# Altium PCB SAMR21_Xplained_Pro.PcbDoc (part 1 of 3) (continued)
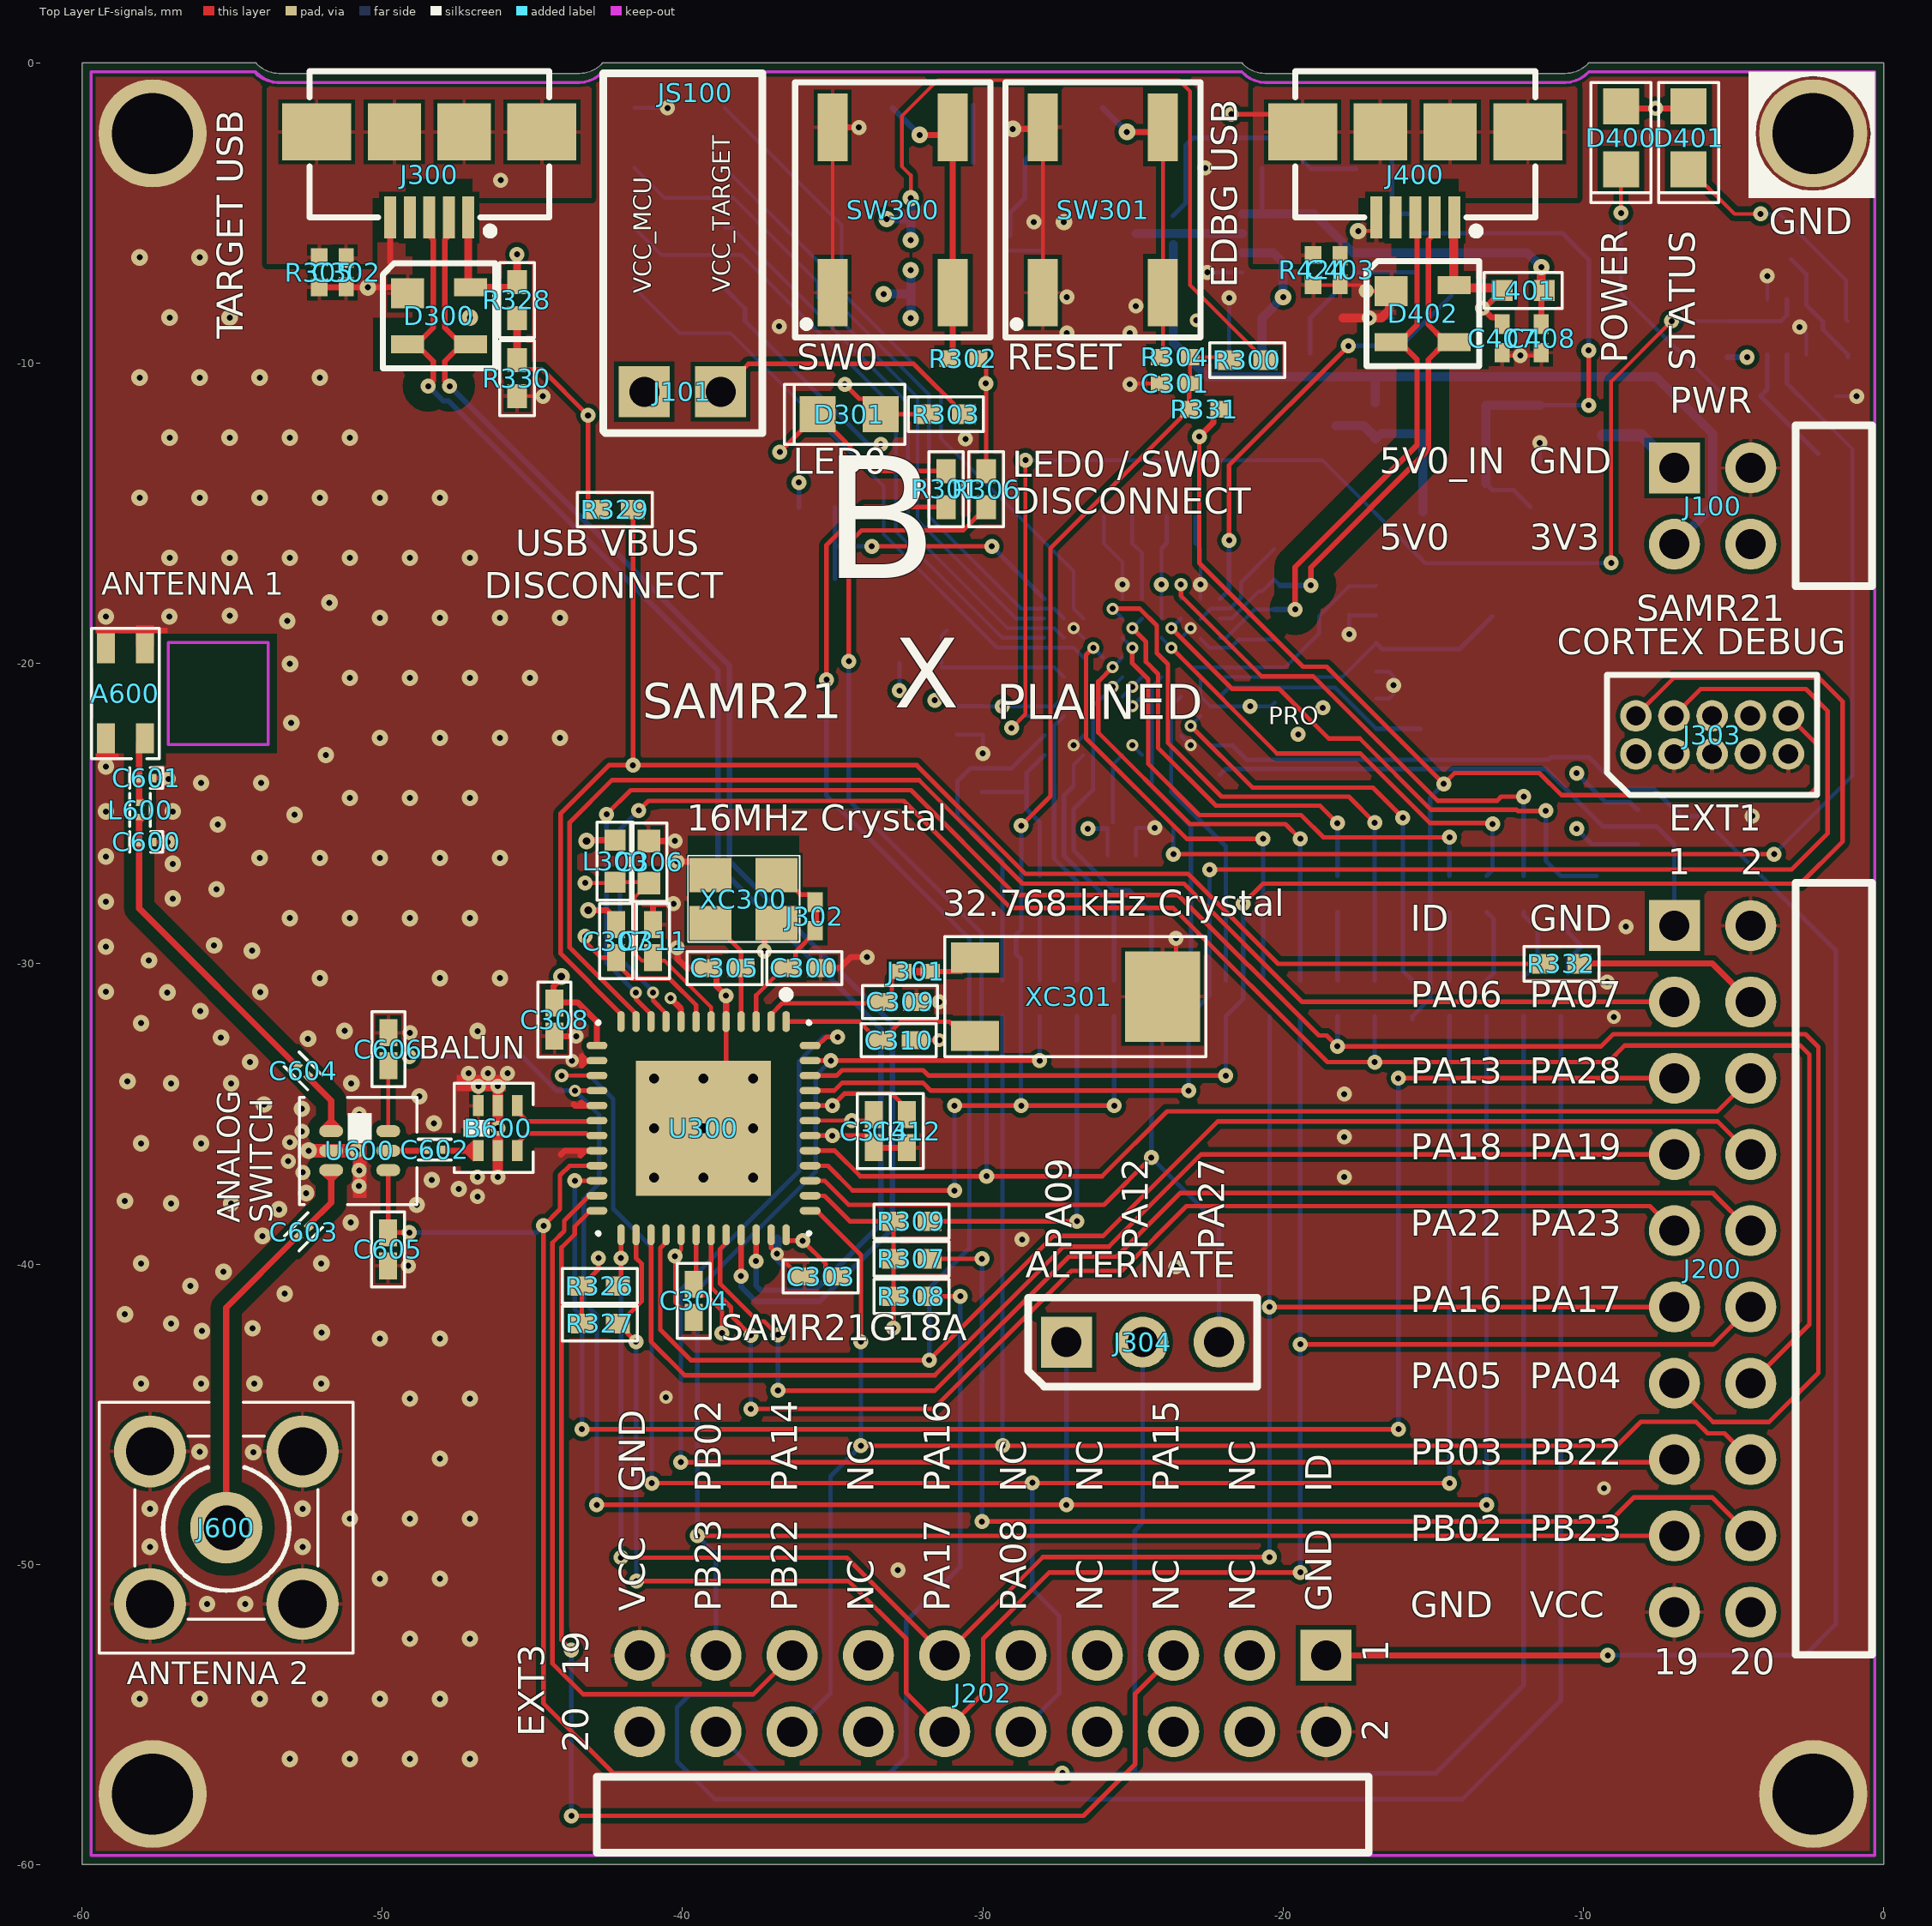
[diagram p0: Top Layer LF-signals view]
## Footprints (in the part's own frame and the unit in brackets; to place one, negate y for a bottom-side part, rotate by r counter-clockwise, add the part's x,y. Pads: shape width x height; smd on the part's side, far side on the other; paste and mask are expansions set on the pad) (continued)
AP4-00001 [mm]
  rect 1.1x1 smd: 1(0,0)
  rect 1.1x0.6 smd: 2(0,-1.7) 3(2.1,-1.7) 4(2.1,0.2)
  silkscreen extent -0.82,-2.5 2.93,1, body extent -0.13,-2.2 2.23,0.7, height 1.21
AP4-00013 [mm] "0805 diode footprint"
  rect 1.2x1.2 smd: 1(-1.05,0) 2(1.05,0)
  silkscreen extent -2.16,-1 1.85,1, body extent -1,-0.63 1,0.63, height 1.1
AP5-00001 [mm]
  rect 0.85x0.35 smd: 1(-0.925,0.65) 2(-0.925,0) 3(-0.925,-0.65) 4(0.925,-0.65) 5(0.925,0) 6(0.925,0.65)
  silkscreen extent -1.6,-1.35 1.6,1.35, body extent -1.05,-1 1.05,1, height 0.95
AP5-00002 [mm] "SOT-23 Package"
  rect 1.3x0.6 smd: 1(-1.05,0.95) 2(-1.05,-0.95) 3(1.05,0)
  silkscreen extent -1.95,-1.78 1.95,1.78, body extent -1.25,-1.46 1.23,1.46, height 1
AP6-00054 [mm]
  rect 1.7x0.35 smd: 1(-2.85,0.975) 2(-2.85,0.325) 3(-2.85,-0.325) 4(-2.85,-0.975) 5(2.85,-0.975) 6(2.85,-0.325) 7(2.85,0.325) 8(2.85,0.975)
  silkscreen extent -2.98,1.58 -2.73,1.82, body extent -3.23,-1.55 3.23,1.55, height 1.25
AP6-00171 [mm] "VQFN48_7x7mm_4.5x4.5mm_Paddle"
  oval 0.7x0.25 smd: 1(-3.55,2.75) 2(-3.55,2.25) 3(-3.55,1.75) 4(-3.55,1.25) 5(-3.55,0.75) 6(-3.55,0.25) 7(-3.55,-0.25) 8(-3.55,-0.75) 9(-3.55,-1.25) 10(-3.55,-1.75) 11(-3.55,-2.25) 12(-3.55,-2.75) 25(3.55,-2.75) 26(3.55,-2.25) 27(3.55,-1.75) 28(3.55,-1.25) 29(3.55,-0.75) 30(3.55,-0.25) 31(3.55,0.25) 32(3.55,0.75) 33(3.55,1.25) 34(3.55,1.75) 35(3.55,2.25) 36(3.55,2.75)
  oval 0.25x0.7 smd: 13(-2.75,-3.55) 14(-2.25,-3.55) 15(-1.75,-3.55) 16(-1.25,-3.55) 17(-0.75,-3.55) 18(-0.25,-3.55) 19(0.25,-3.55) 20(0.75,-3.55) 21(1.25,-3.55) 22(1.75,-3.55) 23(2.25,-3.55) 24(2.75,-3.55) 37(2.75,3.55) 38(2.25,3.55) 39(1.75,3.55) 40(1.25,3.55) 41(0.75,3.55) 42(0.25,3.55) 43(-0.25,3.55) 44(-0.75,3.55) 45(-1.25,3.55) 46(-1.75,3.55) 47(-2.25,3.55) 48(-2.75,3.55)
  rect 4.5x4.5 smd: 49(0,0)
  silkscreen extent -4.57,-3.52 3.52,3.52, body extent -3.51,-3.51 3.51,3.51, height 0.78
AP6-00206 [mm] "100 ball (10x10 array) VFBGA. Pitch 0.65 mm. Width: 7 mm. Length: 7mm. Height: 1 mm"
  round 0.28 smd: A1(-2.925,2.925) A2(-2.275,2.925) A3(-1.625,2.925) A4(-0.975,2.925) A5(-0.325,2.925) A6(0.325,2.925) A7(0.975,2.925) A8(1.625,2.925) A9(2.275,2.925) A10(2.925,2.925) B1(-2.925,2.275) B2(-2.275,2.275) B3(-1.625,2.275) B4(-0.975,2.275) B5(-0.325,2.275) B6(0.325,2.275) B7(0.975,2.275) B8(1.625,2.275) B9(2.275,2.275) B10(2.925,2.275) C1(-2.925,1.625) C2(-2.275,1.625) C3(-1.625,1.625) C4(-0.975,1.625) C5(-0.325,1.625) C6(0.325,1.625) C7(0.975,1.625) C8(1.625,1.625) C9(2.275,1.625) C10(2.925,1.625) D1(-2.925,0.975) D2(-2.275,0.975) D3(-1.625,0.975) D4(-0.975,0.975) D5(-0.325,0.975) D6(0.325,0.975) D7(0.975,0.975) D8(1.625,0.975) D9(2.275,0.975) D10(2.925,0.975) E1(-2.925,0.325) E2(-2.275,0.325) E3(-1.625,0.325) E4(-0.975,0.325) E5(-0.325,0.325) E6(0.325,0.325) E7(0.975,0.325) E8(1.625,0.325) E9(2.275,0.325) E10(2.925,0.325) F1(-2.925,-0.325) F2(-2.275,-0.325) F3(-1.625,-0.325) F4(-0.975,-0.325) F5(-0.325,-0.325) F6(0.325,-0.325) F7(0.975,-0.325) F8(1.625,-0.325) F9(2.275,-0.325) F10(2.925,-0.325) G1(-2.925,-0.975) G2(-2.275,-0.975) G3(-1.625,-0.975) G4(-0.975,-0.975) G5(-0.325,-0.975) G6(0.325,-0.975) G7(0.975,-0.975) G8(1.625,-0.975) G9(2.275,-0.975) G10(2.925,-0.975) H1(-2.925,-1.625) H2(-2.275,-1.625) H3(-1.625,-1.625) H4(-0.975,-1.625) H5(-0.325,-1.625) H6(0.325,-1.625) H7(0.975,-1.625) H8(1.625,-1.625) H9(2.275,-1.625) H10(2.925,-1.625) J1(-2.925,-2.275) J2(-2.275,-2.275) J3(-1.625,-2.275) J4(-0.975,-2.275) J5(-0.325,-2.275) J6(0.325,-2.275) J7(0.975,-2.275) J8(1.625,-2.275) J9(2.275,-2.275) J10(2.925,-2.275) K1(-2.925,-2.925) K2(-2.275,-2.925) K3(-1.625,-2.925) K4(-0.975,-2.925) K5(-0.325,-2.925) K6(0.325,-2.925) K7(0.975,-2.925) K8(1.625,-2.925) K9(2.275,-2.925) K10(2.925,-2.925)
  silkscreen extent -4.15,-4.15 4.15,4.15, body extent -3.5,-3.5 3.5,3.5, height 1.01
AP6-00227 [mm] "6pin package, 0.65mm pitch, 1.25x2mm plastic"
  oval 0.4x0.8 smd mask+0.05: 1(0,0) 2(0.65,0) 3(1.3,0) 4(1.3,1.9) 5(0.65,1.9) 6(0,1.9)
  silkscreen extent -0.6,0.55 0.4,1.35, body extent -0.35,-0.1 1.65,2, height 0.92
AP6-00338 [mm] "8-lead 3.0x2.0 mm Body, 0.50 mm Pitch,  VDFN, Very Thin, Dual Flat No-Lead Package"
  round 0.4 on Bottom Paste: 0(-0.425,-0.4) 0(-0.425,0.4) 0(0,0) 0(0.425,-0.4) 0(0.425,0.4)
  rect 0.6x0.25 smd: 1(-1.4,0.75) 2(-1.4,0.25) 3(-1.4,-0.25) 4(-1.4,-0.75) 5(1.4,-0.75) 6(1.4,-0.25) 7(1.4,0.25) 8(1.4,0.75)
  rect 1.6x1.5 smd paste-0.7: 9(0,0)
  silkscreen extent -2.26,-1.3 2.2,1.33, body extent -1.53,-1 1.53,1, height 0.92
AP7-00039 [mm] "FOX FQ5032B"
  rect 1.6x1.3 smd: 1(-1.9,-1.15) 2(1.9,-1.15) 3(1.9,1.15) 4(-1.9,1.15)
  silkscreen extent -3,-2.1 3,2.1, body extent -2.7,-1.8 2.7,1.8, height 1.2
AP7-00044 [mm]
  rect 1x1.6 smd: 1(-1.3,0) 2(1.3,0)
  rect 3x2.5 smd: 3(0,6.25)
  silkscreen extent -2,-1 2,7.7, body extent -1.5,-0.7 1.5,7.4, height 2.08
AP7-00061 [mm] "TSX-3225"
  rect 1.15x1.4 smd: 1(-0.8,1.1) 2(-0.8,-1.1) 3(0.8,-1.1) 4(0.8,1.1)
  silkscreen extent -1.45,-1.85 1.43,1.88, body extent -1.25,-1.61 1.25,1.61, height 0.82
AP8-00010 [mm] "Testpad 50mil"
  round 1.27 smd paste-0.635: 1(0,0)
AP8-00137 [mm]
  rect 2.25x1 smd: 1(-2.75,2) 2(2.75,2) 3(-2.75,-2) 4(2.75,-2)
  silkscreen extent -4.25,-3.25 4.25,3.25, body extent -3.4,-3.21 3.4,3.22, height 3.47
AP8-00192 [mm]
  silkscreen extent -4,-4 4,4, body extent -3.97,-3.99 4,3.99, height 2.79
AP8-00257 [mm]
  round 1.05 hole 0.65: 1(-2.54,-0.635) 2(-2.54,0.635) 3(-1.27,-0.635) 4(-1.27,0.635) 5(0,-0.635) 6(0,0.635) 7(1.27,-0.635) 8(1.27,0.635) 9(2.54,-0.635) 10(2.54,0.635)
  silkscreen extent -3.5,-2 3.5,2, body extent -3.15,-1.64 3.2,1.79, height 3.88
AP8-00317 [mm] "Placement area for 18x6mm sticker"
  silkscreen extent 0,0 18,6
AP8-00367 [mm] "1x2 pin header, right angle, 2.54 mm pitch, through-hole"
  rect 1.7x1.7 / inner round 1.7 / far side round 1.7 hole 1: 1(-1.27,0) 2(1.27,0)
  silkscreen extent -2.65,-1.38 2.66,10.6, body extent -2.54,-0.33 2.54,9.99, height 2.55
AP8-00416 [mm] "SMA female through hole vertical"
  round 2.4 hole 1.5: 1(0,0)
  round 2.4 hole 1.6: 2.1(-2.54,2.54) 2.2(-2.54,-2.54) 2.3(2.54,-2.54) 2.4(2.54,2.54)
  silkscreen extent -3.05,-3.05 3.05,3.05, body extent -3.5,-3.45 3.5,3.55, height 9.53
AP8-00525 [mm] "Jumper 2.54mm, 3D"
  body extent -2.91,-4.32 2.07,1.64, height 2.52
AP8-00595 [mm]
  rect 0.65x0.5 smd: 1(-0.475,0) 2(0.475,0)
  Top Layer LF-signals lines w0.254: 0.2,0 -0.175,0
AP8-00604 [mm] "Micro USB connector SMD"
  rect 0.4x1.4 smd: 1(-1.3,2.85) 2(-0.65,2.85) 3(0,2.85) 4(0.65,2.85) 5(1.3,2.85)
  rect 2.3x1.9 smd: 6(-3.75,0) 9(3.75,0)
  rect 1.775x1.9 smd: 7(-1.162,0) 8(1.162,0)
  silkscreen extent -4,-2.02 3.99,3.42, body extent -4.4,-2.77 4.4,2.86, height 2.76
AP8-00622 [mm] "2x10 Right angle 2.54mm THM"
  rect 1.7x1.7 / inner round 1.7 / far side rect 1.7x1.7 hole 1: 1(-11.43,-1.27)
  rect 2.1x2.1 on Top Paste: 1(-11.43,-1.27) 2(-11.43,1.27) 3(-8.89,-1.27) 4(-8.89,1.27) 5(-6.35,-1.27) 6(-6.35,1.27) 7(-3.81,-1.27) 8(-3.81,1.27) 9(-1.27,-1.27) 10(-1.27,1.27) 11(1.27,-1.27) 12(1.27,1.27) 13(3.81,-1.27) 14(3.81,1.27) 15(6.35,-1.27) 16(6.35,1.27) 17(8.89,-1.27) 18(8.89,1.27) 19(11.43,-1.27) 20(11.43,1.27)
  round 1.7 hole 1: 2(-11.43,1.27) 3(-8.89,-1.27) 4(-8.89,1.27) 5(-6.35,-1.27) 6(-6.35,1.27) 7(-3.81,-1.27) 8(-3.81,1.27) 9(-1.27,-1.27) 10(-1.27,1.27) 11(1.27,-1.27) 12(1.27,1.27) 13(3.81,-1.27) 14(3.81,1.27) 15(6.35,-1.27) 16(6.35,1.27) 17(8.89,-1.27) 18(8.89,1.27) 19(11.43,-1.27) 20(11.43,1.27)
  silkscreen extent -12.85,2.77 12.85,5.31, body extent -12.7,-1.59 12.7,11.29, height 5
AP8-00628 [mm] "2x2 Right angle 2.54mm THM"
  rect 1.7x1.7 / inner round 1.7 / far side rect 1.7x1.7 hole 1: 1(-1.27,-1.27)
  rect 2.1x2.1 on Top Paste: 1(-1.27,-1.27) 2(-1.27,1.27) 3(1.27,-1.27) 4(1.27,1.27)
  round 1.7 hole 1: 2(-1.27,1.27) 3(1.27,-1.27) 4(1.27,1.27)
  silkscreen extent -2.69,2.77 2.67,5.31, body extent -2.54,-1.52 2.54,11.36, height 5
AP8-00678 [mm] "2.45G Ceramic Ant, inside board placement"
  rect 1x0.6 smd: 1(-1.5,-0.65) 2(1.5,-0.65) 3(1.5,0.65) 4(-1.5,0.65)
  Top Layer LF-signals pour cut-out: -2,-5.05 -2,0.95 2,0.95 2,-5.05
  Keep-Out Layer lines w0.1: -0.825,1.125 0.825,1.125 ; -1.7,-1.425 1.7,-1.425 1.7,-4.75 -1.7,-4.75 -1.7,-1.425
  silkscreen extent -2.17,-1.12 2.17,1.12, body extent -1.62,-0.82 1.63,0.83, height 1.21
AP8-00745 [mm] "THM Pin-header 1x3 100mil pitch, 1mm hole"
  rect 1.7x1.7 / inner round 1.7 / far side rect 1.7x1.7 hole 1: 1(-2.54,0)
  round 1.7 hole 1: 2(0,0) 3(2.54,0)
  silkscreen extent -3.81,-1.48 3.81,1.48, body extent -3.81,-1.27 3.81,1.27, height 8.38

## Part data
A600: library part A08-1618, "2.45 GHz Ceramic Antenna"
B600: library part A03-0091, "Filtered Balun to match AT86RF232/233 (35288)"
C100: library part A01-0324, "SMD tantalum capacitor, ESR = 1.7, 3216-18 (EIA) 1206,"
C101: library part A01-0377, "Ceramic capacitor, SMD 0603, X5R, 10V, 10% (de31036)"
C102 C103 C301 C303 C304 C307 C308 C311 C312 C314 C404 C410 C411 C412 C413: library part A01-0246, "Ceramic capacitor, SMD 0402, X7R, 16V, +/-10%"
C300 C305 C402: library part A01-0015, "Ceramic capacitor, SMD 0402, NP0, 50V, +/-5%"
C302 C403: library part A01-0046, "Ceramic capacitor, SMD 0402, X7R, 25V, +/-10%"
C306: library part A01-0491, "Ceramic capacitor, SMD 0603, X5R, 16V, 10UF ± 20% (High Density)"
C309 C310: library part A01-0014, "Ceramic capacitor, SMD 0402, NP0, 50V, +/-5%"
C400 C401 C605 C606: library part A01-0019, "Ceramic capacitor, SMD 0402, NP0, 50V, +/-5%"
C405 C409 C414 C415: library part A01-0300, "Ceramic capacitor, SMD 0402, X5R, 6.3V, +/-20%"
C406 C407 C408: library part A01-0321, "Ceramic capacitor, SMD 0402, C0G, 50V, +/-5%"
C600: library part A01-0612, "Ceramic Capacitor, SMD 0201, 25V, NP0, 1.2pF"
C601 C602 C603 C604: library part A01-0335, "Ceramic Capacitor, SMD 0201, 25V, NP0, 22PF"
D300 D402: library part A06-0236, "Double rail-to-rail USB ESD protection diode"
D301 D401: library part A10-0019, "LED, Yellow, Wave length=591nm, SMD 0805, ±70°"
D400: library part A10-0018, "LED, Green, Wave length=575nm, SMD 0805, ±70°"
E1 E2 E3 E4: library part A08-0053, "2.8mm adhesive feet,diam 8.0mm"
J100: library part A08-1519, "Pin header, 2x2, Right Angle, 2.54mm, THT, Pin In Paste"
J101: library part A08-0764, "1x2 pin header, right angle, 2.54 mm pitch, through-hole"
J200 J202: library part A08-1513, "Pin header, 2x10, Right Angle, 2.54mm, THM, Pin In Paste"
J300 J400: library part A08-1368, "Micro USB AB Connector"
J301 J302: library part A08-1454, "Closed Link 0402"
J303: library part A08-0385, "2x5 pin header, 1.27mm pitch, THM"
J304: library part A08-1799, "1x3 pin header, 2.54mm pitch, Pin-in-Paste THM, 1mm hole"
J600: library part A08-0963, "SMA PCB mounted connector 50Ohm (de19205)"
JS100: library part A08-0543, "Jumper cap for 2.54mm pinheader"
L300 L401 L402: library part A03-0035, "SMD RF inductor 0603. Z=470Ohm (@100MHz), Max R(dc)=0.65Ohm, Max current=1A"
L600: library part A03-0148, "ceramic chip inductor, 1.8nH,0201"
LABEL1: library part A08-1911, "Label for use on wireless PCBA that needs 64 bit MAC, FCC ID and IC ID"
Q100 Q101: library part A05-0087, "P-ch. MOSFET. -30V, -3.7A continuous,RDS(ON)=0.05Ohm@VGS=-4,5V, RDS(ON)=0.08Ohm@VGS=-2.5V"
Q102: library part A05-0085, "N-Channel MOSFET. 60V, 0.300A continuous, 1.2A Peak. RDS(ON) = 3.8Ohm@VGS=4.5V, VGS(th)<2.5V"
Q400: library part A05-0051, "Dual N-Channel MOSFET, 60V, 115mA cont,RDS(ON) < 7.5 Ohm @50mA@5V, SOT-363"
R100: library part A02-0242, "Thick film resistor, SMD 0402, 1/16W, 1%"
R101 R104 R105 R305 R410 R413 R424: library part A02-0284, "Thick film resistor, SMD 0402, 1/16W, 1%"
R102: library part A02-0247, "Thick film resistor, SMD 0402, 1/16W, 1%"
R103 R107 R300: library part A02-0260, "Thick film resistor, SMD 0402, 1/16W, 1%"
R106: library part A02-0202, "Thick film resistor, SMD 0402, 1/16W, 1%"
R108 R425: library part A02-0163, "Thick film resistor, SMD 0402, 1/16W, 1%"
R109 R110 R328 R330: library part A02-0252, "Thick film resistor, SMD 0402, 1/16W, 1%"
R301 R306 R307 R308 R309 R310 R311 R312 R313 R314 R315 R316 R317 R318 R319 R320 R321 R322 R323 R324 R325 R329 R332: library part A02-0163, "RES 0.0 OHM 1/16W 0402 SMD"
R302 R304 R331 R421 R422: library part A02-0178, "Thick film resistor, SMD 0402, 1/16W, 1%"
R303 R411 R412 R414 R416 R417 R418 R419 R420: library part A02-0200, "Thick film resistor, SMD 0402, 1/16W, 1%"
R326 R327: library part A02-0228, "Thick film resistor, SMD 0402, 1/16W, 1%"
R401 R409: library part A02-0212, "Thick film resistor, SMD 0402, 1/16W, 1%"
R423: library part A02-0539, "Thick film resistor, SMD 0402, 1/16W, 1%"
SW300 SW301: library part A08-0790, "6.2x6.2 mm SMD tact switch, same as A08-0091 but less force is needed"
TP300 TP301 TP400 TP401 TP402 TP403 TP404 TP405 TP406 TP407: library part A08-0004, "Single SMD testpad"
U100: library part A06-0957, "500mA LDO, ADJ, low noise, 8-DFN package"
U101: library part A06-0068, "Autoswitching 2:1 Power Mux"
U300: library part A06-1046, "Atmel 32-bit Cortex M0+ MCU with RF233 SIP."
U400: library part A06-0736, "AVR 32-bit RISC MCU"
U600: library part A06-0560, "PHEMT SPDT Analog SWITCH, 0,1-3 GHz"
XC300: library part A07-0078, "16MHz uXtal, 3.2 x 2.5 mm SMD, CL=9pF, 15PPM, ESR=80ohm(Max."
XC301: library part A07-0052, "32k768 crystal, +-20ppm, CL=7pF, max ESR 60kOhm, SMD"
XC400: library part A07-0042, "Fox FQ5032B 12.0MHz SMD crystal 738B-12"

## Free pads (board coordinates)
  round 1 on Top Overlay: 0(-55.83,-22.508)
  round 0.8 smd far side: 0(-34.924,-17.176) 0(-30.325,-1.403) 0(-30.105,-20.125) 0(-30.029,-24.275) 0(-29.345,-26.585) 0(-28.106,-29.411) 0(-27.899,-1.416) 0(-26.866,-28.994) 0(-25.628,-28.348) 0(-25.025,-14.166) 0(-24.387,-29.098) 0(-23.075,-27.67) 0(-21.908,-26.09) 0(-20.669,-27.325) 0(-19.1,-9.666) 0(-18.25,-12.071) 0(-18.19,-29.412) 0(-16.95,-26.037) 0(-16.375,-2.236) 0(-14.461,-29.412) 0(-13.522,-6.325) 0(-12.993,-29.411) 0(-11.525,-29.411) 0(-10.057,-29.414) 0(-9.555,-27.075) 0(-6.863,-9.538) 0(-3.08,-6.542) 0(-2.172,-13.028)
  round 0.3 smd far side: 0(-28.571,-24.275)
  round 3.6 hole 2.7 paste-2.6: 666(-57.65,-57.65) 666(-57.65,-2.35) 666(-2.35,-57.65) 666(-2.35,-2.35)

## Via types
v1: diameter 0.5, hole 0.2, Top Layer LF-signals to Bottom Layer LF-signals, 155 vias
v2: diameter 0.55, hole 0.2, Top Layer LF-signals to Bottom Layer LF-signals, 108 vias
v3: diameter 0.55, hole 0.2, Top Layer LF-signals to Bottom Layer LF-signals, tented both sides, 50 vias
v4: diameter 0.5/0.8 (per signal layer), hole 0.2, Top Layer LF-signals to Bottom Layer LF-signals, tented top, 28 vias
v5: diameter 0.4, hole 0.2, Top Layer LF-signals to Bottom Layer LF-signals, 20 vias
v6: diameter 0.762, hole 0.33, Top Layer LF-signals to Bottom Layer LF-signals, tented top, 9 vias
v7: diameter 0.45, hole 0.2, Top Layer LF-signals to Bottom Layer LF-signals, 9 vias
v8: diameter 0.55, hole 0.2, Top Layer LF-signals to Bottom Layer LF-signals, tented top, 7 vias
v9: diameter 0.5, hole 0.2, Top Layer LF-signals to Bottom Layer LF-signals, tented both sides, 6 vias
v10: diameter 0.55, hole 0.25, Top Layer LF-signals to Bottom Layer LF-signals, tented both sides, 3 vias
v11: diameter 0.5, hole 0.2, Top Layer LF-signals to Bottom Layer LF-signals, tented top, 2 vias

## Nets (pads, with @x,y where several pads share a name; then routed paths per layer and width w, separated by ;. In a path a pad name is that pad's centre, name@x,y a point inside that pad or via, vN(x,y) a via of type N, cw(c..) or ccw(c..) an arc to the next point about the centre after c; other vN are vias at no path point)
ANT_OUT: B600.1 C602.1 | length 1.2
  Top Layer LF-signals w0.205: C602.1@-48,-36.229 B600.1@-46.801,-36.229
ANTENNA_1: C600.2 C604.2 L600.2 | length 10.5
  Top Layer LF-signals w0.205: L600.2@-58.096,-25.126 -58.096,-28.153 C604.2@-52.831,-33.419
ANTENNA_2: C603.2 J600.1 | length 10.7
  Top Layer LF-signals w0.205: J600.1@-55.195,-48.78 -55.195,-41.45 -52.832,-39.088 C603.2@-52.825,-39.088
AVDD: C306.1 C311.1 L300.2 U300.6 | length 8.4
  Top Layer LF-signals w0.125: v4(-43.239,-27.309) -42.275,-27.309 L300.2@-42.25,-27.285 -41.146,-27.285 C306.1@-41.122,-27.309 -41.586,-27.774 -41.586,-29.664 -41.356,-29.894 -40.598,-29.894 -39.05,-31.442 U300.6@-39.05,-31.925
BUTTON: R302.2 R306.2 | length 3.9
  Top Layer LF-signals w0.15: R302.2@-30.15,-9.85 -29.887,-10.113 R306.2@-29.887,-13.6
  other v4: -29.9,-10.675
DGI_GPIO0: R416.2 U400.F8 | length 16.9
  Top Layer LF-signals w0.15: v5(-25.025,-19.475) -25.025,-19.993 -24.495,-20.522 -24.495,-23.343 -22.792,-25.046 -19.404,-25.046 -18.657,-25.793 -14.465,-25.793 v4(-14.461,-25.789)
  Bottom Layer LF-signals w0.125: U400.F8@-25.35,-19.15 v5(-25.025,-19.475)
  Bottom Layer LF-signals w0.15: R416.2@-14.461,-27.075 v4(-14.461,-25.789)
DGI_GPIO1: R417.2 U400.D8 | length 15.4
  Top Layer LF-signals w0.15: v5(-23.725,-19.475) -20.2,-23 -17.428,-23 -15.114,-25.314 -13.055,-25.314 v4(-13.025,-25.344)
  Bottom Layer LF-signals w0.125: U400.D8@-24.05,-19.15 v5(-23.725,-19.475)
  Bottom Layer LF-signals w0.15: R417.2@-13.225,-27.075 -13.025,-26.875 v4(-13.025,-25.344)
DGI_GPIO2: R418.2 U400.C10 | length 17.8
  Top Layer LF-signals w0.15: v7(-23.4,-17.373) -23.4,-17.745 -20.716,-20.429 -18.994,-20.429 -14.854,-24.569 -12.872,-24.569 -12.738,-24.435 v4(-11.989,-24.435)
  Bottom Layer LF-signals w0.125: U400.C10@-23.4,-17.85 v7(-23.4,-17.373)
  Bottom Layer LF-signals w0.15: R418.2@-11.989,-27.075 v4(-11.989,-24.435)
DGI_GPIO3: pad.0@-9.555,-27.075 R419.2 U400.C9 | length 19
  Top Layer LF-signals w0.15: v5(-23.725,-18.825) -21.708,-20.842 -20.141,-20.842 -18.484,-22.499 -17.447,-22.499 -15.078,-24.869 -12.227,-24.869 -12.186,-24.91 -11.256,-24.91 v1(-11.251,-24.905)
  Bottom Layer LF-signals w0.125: v5(-23.725,-18.825) U400.C9@-23.4,-18.5
  Bottom Layer LF-signals w0.15: v1(-11.251,-24.905) -11.251,-26.577 R419.2@-10.753,-27.075 ; R419.2@-10.75,-27.075 pad.0@-9.555,-27.075
EDBG_ADC0: pad.0@-34.924,-17.176 R109.1 R110.2 U400.K10 | length 10
  Top Layer LF-signals w0.15: v1(-33.7,-16.1) v1(-29.7,-16.1)
  Bottom Layer LF-signals w0.15: pad.0@-34.924,-17.176 R110.2@-34.924,-16.079 R109.1@-34.924,-14.804 ; R110.2@-34.903,-16.1 v1(-33.7,-16.1) ; v1(-29.7,-16.1) U400.K10@-27.95,-17.85
EDBG_CDC_USART_RX: pad.0@-16.95,-26.037 R316.1 U400.F9 | length 19.5
  Top Layer LF-signals w0.15: v5(-25.675,-18.175) -24.775,-18.175 -24.209,-18.741 -24.209,-19.657 -23.838,-20.028 -23.838,-22.644 -22.047,-24.436 -17.814,-24.436 v1(-16.95,-25.3)
  Bottom Layer LF-signals w0.125: v5(-25.675,-18.175) U400.F9@-25.35,-18.5
  Bottom Layer LF-signals w0.15: R316.1@-16.95,-30.551 v1(-16.95,-25.3)
EDBG_CDC_USART_TX: R414.2 U400.E9 | length 13.6
  Top Layer LF-signals w0.15: v5(-25.025,-18.825) -24.567,-19.283 -24.567,-19.945 -24.161,-20.352 -24.161,-22.814 -22.24,-24.736 -18.772,-24.736 v4(-18.19,-25.318)
  Bottom Layer LF-signals w0.125: v5(-25.025,-18.825) U400.E9@-24.7,-18.5
  Bottom Layer LF-signals w0.15: R414.2@-18.19,-27.075 v4(-18.19,-25.318)
EDBG_DGI_SCL: R315.1 U400.F7 | length 15.7
  Top Layer LF-signals w0.15: v5(-25.675,-20.125) -26.155,-20.605 -26.155,-22.299 -23.106,-25.348 -19.922,-25.348 v4(-19.429,-25.841)
  Bottom Layer LF-signals w0.125: v5(-25.675,-20.125) U400.F7@-25.35,-19.8
  Bottom Layer LF-signals w0.15: R315.1@-19.429,-30.551 v4(-19.429,-25.841)
EDBG_DGI_SDA: pad.0@-20.669,-27.325 R314.1 U400.G7 | length 15.6
  Top Layer LF-signals w0.15: v5(-26.325,-19.475) -26.561,-19.711 -26.561,-22.489 -23.209,-25.841 v1(-20.669,-25.841)
  Bottom Layer LF-signals w0.125: v5(-26.325,-19.475) U400.G7@-26,-19.8
  Bottom Layer LF-signals w0.15: R314.1@-20.669,-30.551 pad.0@-20.669,-27.325 v1(-20.669,-25.841)
EDBG_FORCE_BOOT: TP401.1 U400.H9 | length 21.9
  Bottom Layer LF-signals w0.125: TP401.1@-38.6,-1.5 -34.7,-5.4 -34.7,-7.636 -31.4,-10.936 -31.4,-12.5 -26.975,-16.925 -26.975,-18.175 U400.H9@-26.65,-18.5
EDBG_JTAG_TCK: TP402.1 U400.K9 | length 22.6
  Bottom Layer LF-signals w0.125: TP402.1@-41.6,-3.5 -40.6,-4.5 -38.3,-4.5 -35.5,-7.3 -35.5,-7.818 -32.175,-11.143 -32.175,-15.225 -28.9,-18.5 U400.K9@-27.95,-18.5